# Altium PCB OSA_V100.PcbDoc (part 1 of 5) (continued)
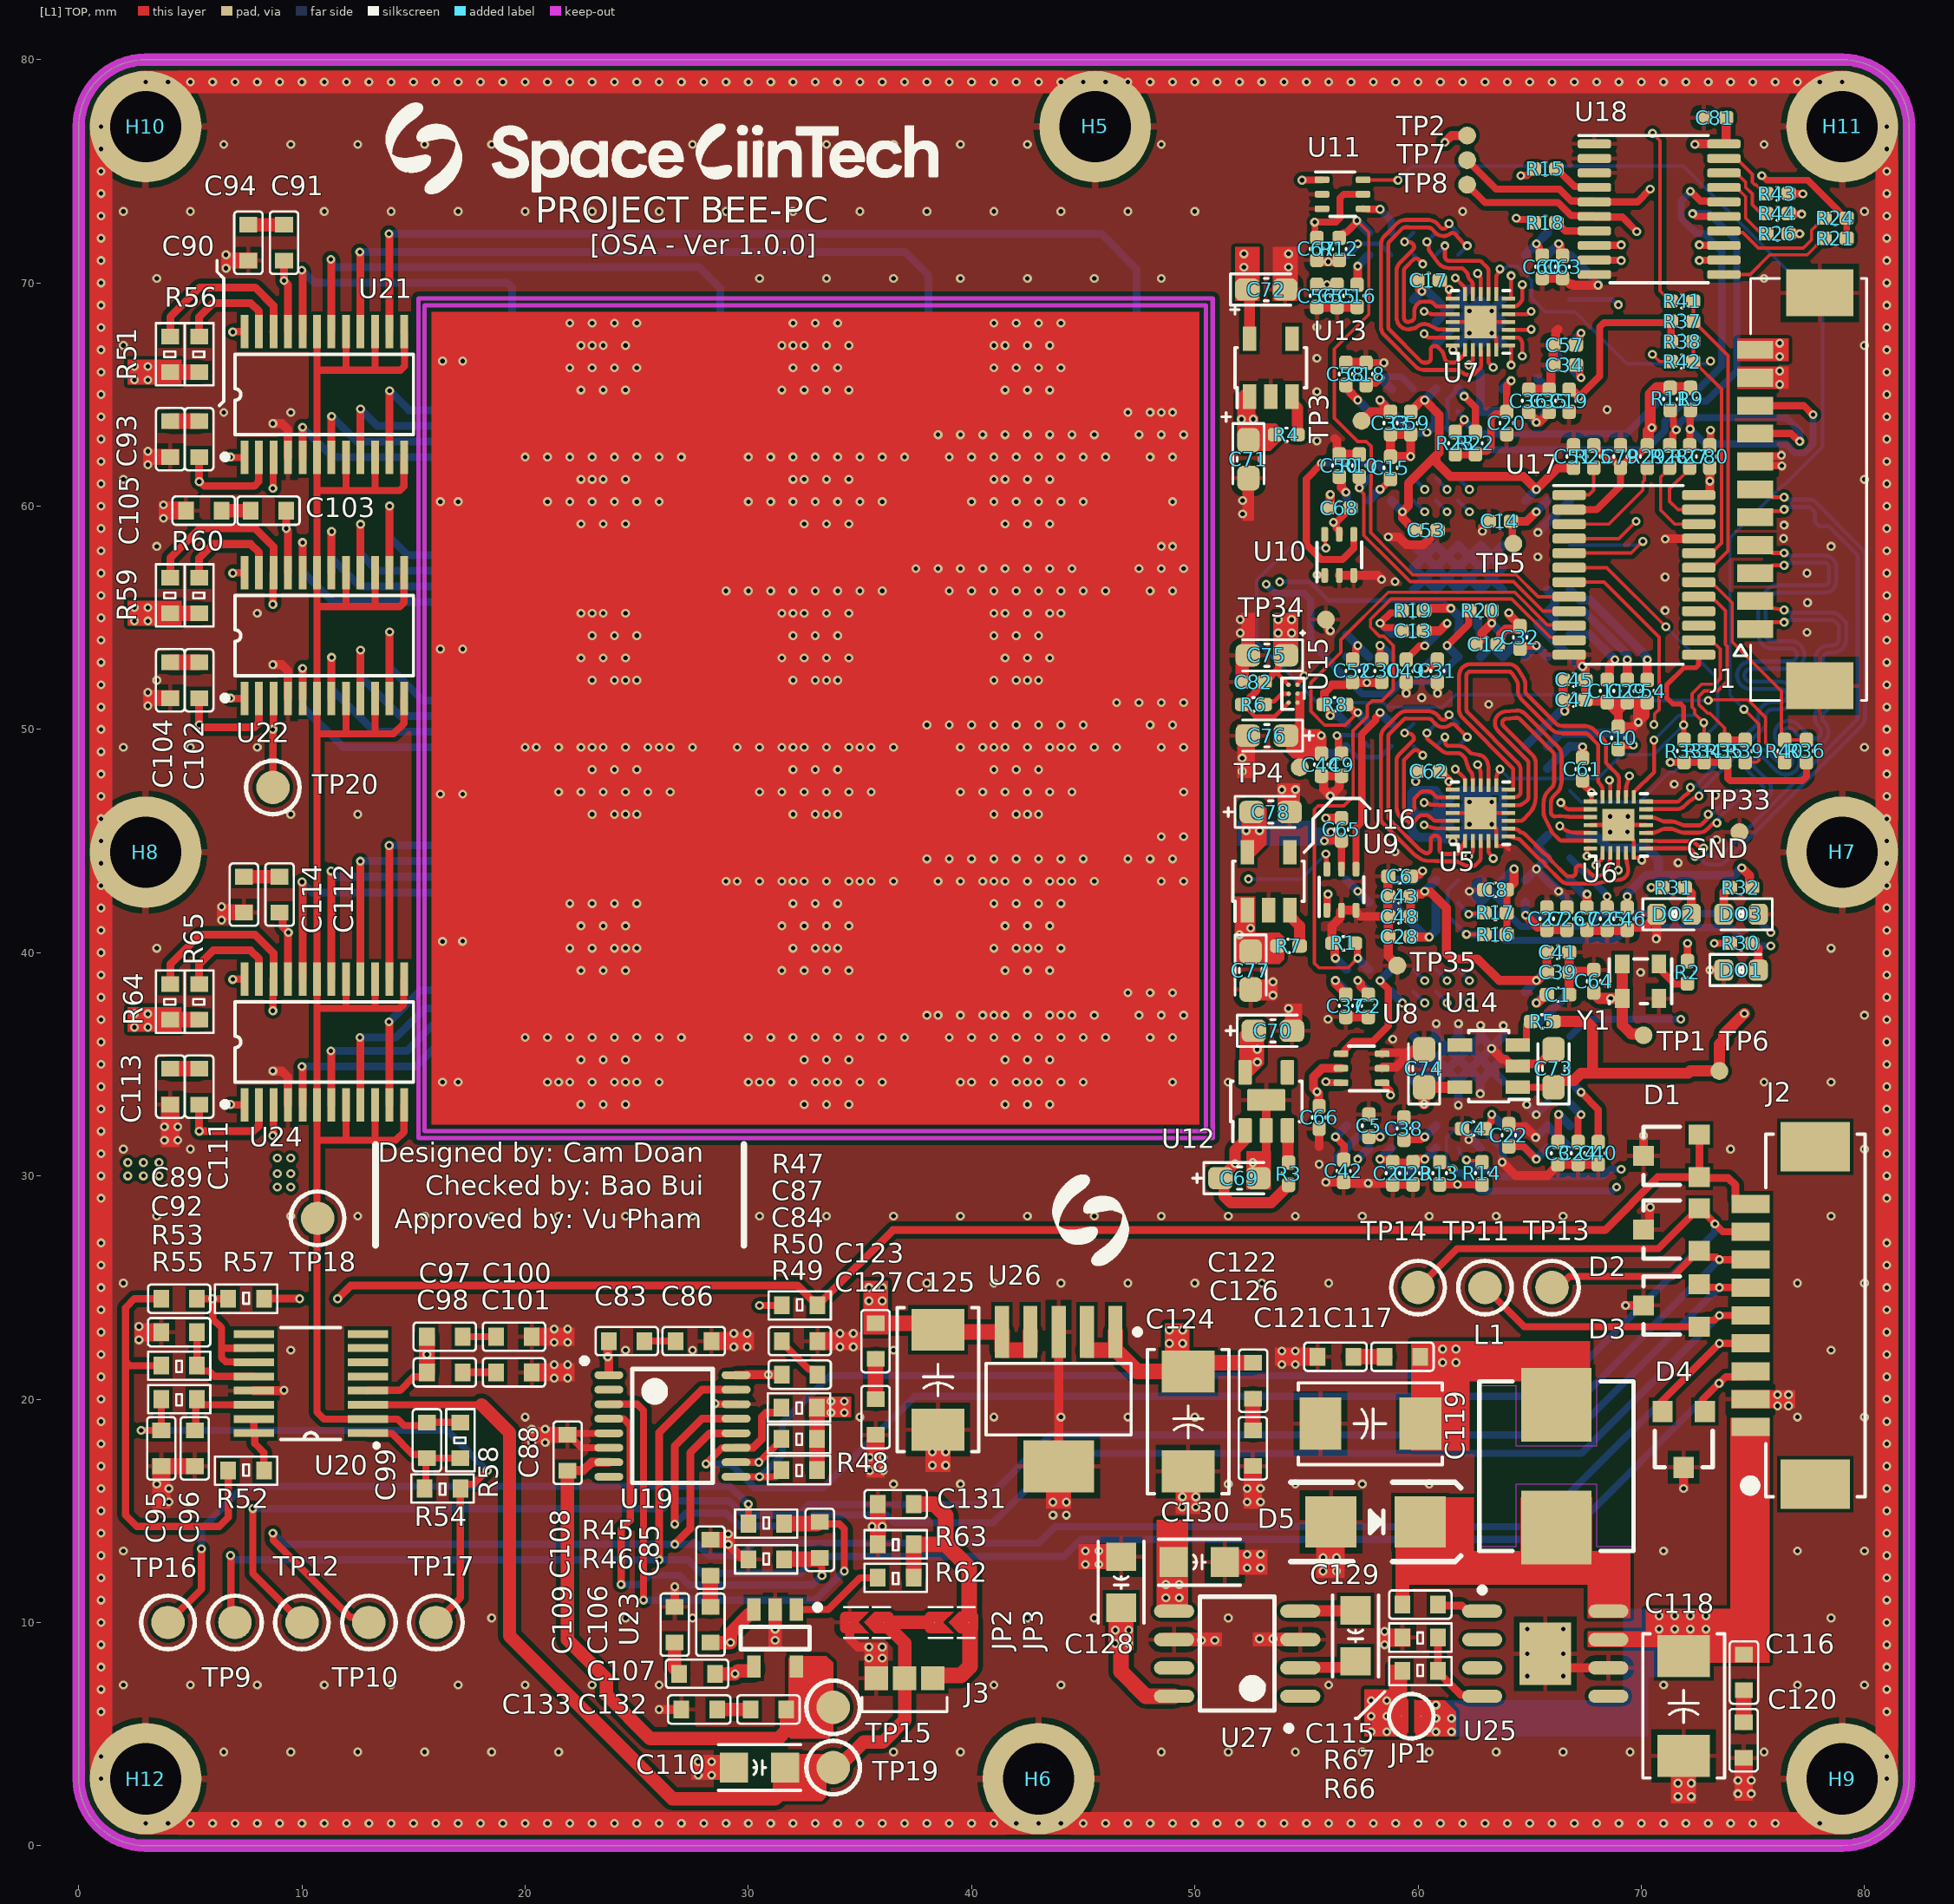
[diagram p0: [L1] TOP view]
## Footprints (in the part's own frame and the unit in brackets; to place one, negate y for a bottom-side part, rotate by r counter-clockwise, add the part's x,y. Pads: shape width x height; smd on the part's side, far side on the other; paste and mask are expansions set on the pad) (continued)
  silkscreen extent -1.4,-0.64 1.4,0.64, body extent -0.8,-0.4 0.8,0.4, height 0.3
DIO-SMD-A [mm]
  rect 2.286x2.3 smd: 1(2,0) 2(-2,0)
  silkscreen extent -3.81,-1.78 3.81,1.78, body extent -2.6,-1.3 2.6,1.3, height 2.4
HEX-M3_NoVia_Smaller [mm]
  round 5 / inner round 4.4 / far side round 5 hole 3.2: 1(0,0)
HSOP8 [mm] "SOIC, 8-Leads, Body 4.9x3.9mm, Pitch 1.27mm, IPC High Density"
  oval 1.8x0.6 smd: 1(-2.825,1.905) 2(-2.825,0.635) 3(-2.825,-0.635) 4(-2.825,-1.905) 5(2.825,-1.905) 6(2.825,-0.635) 7(2.825,0.635) 8(2.825,1.905)
  rect 2.3x2.8 smd: 9(0,0)
  silkscreen extent -2.95,2.73 -2.7,2.98, body extent -2.99,-2.45 3,2.45, height 1.6
Jump2 [mil]
  round 1 smd paste+0 mask+0: 1(0,17.33) 2(0,-17.32)
  [L1] TOP region: 29.08,-5.11 23.68,-17.62 13.25,-26.37 0,-29.52 -13.25,-26.37 -23.68,-17.62 -29.08,-5.12 -29.08,-5.11
  [L1] TOP region: -29.08,5.13 -23.68,17.64 -13.25,26.39 0,29.53 13.25,26.39 23.68,17.64 29.08,5.13 29.08,5.13
  silkscreen extent -39,-39 39,39
JUMPER_1608 [mil]
  round 1 smd paste-99999: 1(30.51,0) 2(-30,0)
  [L1] TOP region: 38.88,-18.7 13.56,-18.7 -5,0 13.56,18.7 38.88,18.7 42.08,18.06 44.79,16.25 46.61,13.54 47.24,10.33 47.24,10.33 47.24,-10.33 46.61,-13.54 44.79,-16.25 42.08,-18.06 38.88,-18.7
  [L1] TOP region: -14.86,-0.09 3.75,-18.7 -38.37,-18.7 -41.57,-18.06 -44.28,-16.25 -46.1,-13.54 -46.73,-10.33 -46.73,-10.33 -46.73,10.33 -46.1,13.54 -44.28,16.25 -41.57,18.06 -38.37,18.7 -38.37,18.7 3.93,18.7
  silkscreen extent -40,-27 41,27
LED_0603 [mm]
  rrect50% 0.85x0.95 smd: 1(-0.775,0) 2(0.775,0)
  silkscreen extent -1.4,-0.7 0.9,0.7, body extent -0.8,-0.4 0.8,0.4, height 0.7
M50-3930342 [mm]
  rect 1.05x1.05 smd mask+0: 1(-1.27,1) 2(0,1) 3(1.27,1)
  silkscreen extent -1.91,-0.5 1.91,0.15, body extent -1.91,-4.51 1.91,1.19, height 2.05
MOLEX_0532611171 [mm]
  rect 0.8x1.6 smd mask+0.076: 1(-6.25,2.4) 2(-5,2.4) 3(-3.75,2.4) 4(-2.5,2.4) 5(-1.25,2.4) 6(0,2.4) 7(1.25,2.4) 8(2.5,2.4) 9(3.75,2.4) 10(5,2.4) 11(6.25,2.4)
  rect 2.1x3 smd mask+0.076: M1(-8.8,-0.5) M2(8.8,-0.5)
  silkscreen extent -9.45,-2.6 9.45,3.35, body extent -9.45,-2.6 9.45,2.6, height 3.4
OSCDFN250X200X89-4N [mm]
  rect 0.85x0.65 smd: 1(-0.775,0.825) 2(-0.775,-0.825) 3(0.775,-0.825) 4(0.775,0.825)
  silkscreen extent -1,-1.4 1,1.4, body extent -1.03,-1.27 1.03,1.27, height 0.89
PI3WVR626XEBEX_DIO_2 [mil]
  rect 24x7 smd paste+0 mask+0: 1(-49.21,27.56) 2(-49.21,13.78) 3(-49.21,0) 4(-49.21,-13.78) 5(-49.21,-27.56) 13(49.21,-27.56) 14(49.21,-13.78) 15(49.21,0) 16(49.21,13.78) 17(49.21,27.56)
  rect 7x24 smd paste+0 mask+0: 6(-41.34,-49.21) 7(-27.56,-49.21) 8(-13.78,-49.21) 9(0,-49.21) 10(13.78,-49.21) 11(27.56,-49.21) 12(41.34,-49.21) 18(41.34,49.21) 19(27.56,49.21) 20(13.78,49.21) 21(0,49.21) 22(-13.78,49.21) 23(-27.56,49.21) 24(-41.34,49.21)
  rect 57x57 smd paste+0 mask+0: 25(0,0)
  silkscreen extent -67,-51 55,51, body extent -49,-49 49,49, height 20
RES-SMD-0603 [mm]
  rect 0.7x0.8 smd: 1(-0.8,0) 2(0.8,0)
  silkscreen extent -1.4,-0.64 1.4,0.64, body extent -0.8,-0.4 0.8,0.4, height 0.43
RES_C_1005X40 [mm]
  rrect50% 0.65x0.6 smd mask+0.05: 1(-0.5,0) 2(0.5,0)
  silkscreen extent -0.04,-0.3 0.04,0.3, body extent -0.5,-0.25 0.5,0.25, height 0.38
SC-88 [mm] "6-TSSOP, SC-88, SOT-363 / SC-88/SC70-6/SOT-363"
  rrect50% 0.66x0.3 smd: 1(-0.92,0.65) 2(-0.92,0) 3(-0.92,-0.65) 4(0.92,-0.65) 5(0.92,0) 6(0.92,0.65)
  silkscreen extent -1.2,-1 0.58,1, body extent -1.05,-1 1.05,1, height 1.1
SO8 [mm] "SOIC, 8-Leads, Body 4.9x3.9mm, Pitch 1.27mm, IPC High Density"
  oval 1.8x0.6 smd: 1(-2.825,1.905) 2(-2.825,0.635) 3(-2.825,-0.635) 4(-2.825,-1.905) 5(2.825,-1.905) 6(2.825,-0.635) 7(2.825,0.635) 8(2.825,1.905)
  silkscreen extent -2.43,-2.55 1.68,3.46, body extent -2.99,-2.45 3,2.45, height 1.6
SOP65P440W-24N [mm] "TSSOP-24 4.40mm Width"
  rrect50% 1.5x0.45 smd: 1(-2.9,3.575) 2(-2.9,2.925) 3(-2.9,2.275) 4(-2.9,1.625) 5(-2.9,0.975) 6(-2.9,0.325) 7(-2.9,-0.325) 8(-2.9,-0.975) 9(-2.9,-1.625) 10(-2.9,-2.275) 11(-2.9,-2.925) 12(-2.9,-3.575) 13(2.9,-3.575) 14(2.9,-2.925) 15(2.9,-2.275) 16(2.9,-1.625) 17(2.9,-0.975) 18(2.9,-0.325) 19(2.9,0.325) 20(2.9,0.975) 21(2.9,1.625) 22(2.9,2.275) 23(2.9,2.925) 24(2.9,3.575)
  silkscreen extent -3.6,-4 2.2,4, body extent -3.2,-3.9 3.2,3.9, height 1.2
SOP65P440W_20 [mm] "TSSOP 20 4.40mm Width"
  rrect50% 1.5x0.4 smd paste+0 mask+0: 1(-2.9,2.925) 2(-2.9,2.275) 3(-2.9,1.625) 4(-2.9,0.975) 5(-2.9,0.325) 6(-2.9,-0.325) 7(-2.9,-0.975) 8(-2.9,-1.625) 9(-2.9,-2.275) 10(-2.9,-2.925) 11(2.9,-2.925) 12(2.9,-2.275) 13(2.9,-1.625) 14(2.9,-0.975) 15(2.9,-0.325) 16(2.9,0.325) 17(2.9,0.975) 18(2.9,1.625) 19(2.9,2.275) 20(2.9,2.925)
  silkscreen extent -3.6,-3.3 2.2,3.3, body extent -3.3,-3.3 3.3,3.3, height 1.09
SOT23-5 [mm] "SOT23-5"
  rect 1x0.6 smd: 1(-1.275,0.95) 2(-1.275,0) 3(-1.275,-0.95) 4(1.275,-0.95) 5(1.275,0.95)
  silkscreen extent -1.5,-1.55 0.5,2.03, body extent -1.25,-1.5 1.25,1.5, height 1.1
SOT23-123 [mm] "SOT23, 1=bottom-left, 2=top, 3=bottom-right"
  rect 0.9x0.95 smd: 1(-0.95,-1.25) 2(0,1.25)
  rect 0.9x0.95 smd mask+0: 3(0.95,-1.25)
  silkscreen extent -1.3,-0.38 1.3,1.25, body extent -1.52,-1.23 1.48,1.27, height 1.06
SOT25 [mm]
  rect 1.1x0.6 smd paste+0 mask+0: 1(-1.3,0.95) 2(-1.3,0) 3(-1.3,-0.95) 4(1.3,-0.95) 5(1.3,0.95)
  silkscreen extent -1.8,-1.6 0.9,1.6, body extent -1.43,-1.5 1.43,1.5, height 1.4
SOT25-EPAD [mm]
  rrect16% 1.1x0.6 smd paste+0 mask+0: 1(-1.3,0.95) 2(-1.3,0) 3(-1.3,-0.95) 4(1.3,-0.95) 5(1.3,0.95)
  rrect10% 0.975x1.7 smd paste+0 mask+0: 7(0.062,0)
  silkscreen extent -1.8,-1.6 0.9,1.6, body extent -1.43,-1.5 1.43,1.5, height 1.4
SOT223-6 [mm]
  rect 2.346x0.632 smd paste+0 mask+0.05: 1(-3.01,2.54) 2(-3.01,1.27) 3(-3.01,0) 4(-3.01,-1.27) 5(-3.01,-2.54)
  rect 2.346x3.172 smd paste+0 mask+0.05: 6(3.01,0)
  silkscreen extent -3.14,-3.25 1.6,3.66, body extent -3.55,-3.25 3.55,3.25, height 1.66
SRP7050TA [mm] "Precision Wire Wound Inductor, 2-Leads, Body 7.30x6.60mm, IPC Medium Density"
  rect 3.3x3.15 smd: 1(-2.75,0) 2(2.75,0)
  silkscreen extent -3.8,-3.45 3.8,3.45, body extent -3.6,-3.3 3.6,3.3, height 4.91
SSOP16 [mm]
  rect 1.8x0.35 smd mask+0.05: 1(-2.553,2.222) 2(-2.553,1.587) 3(-2.553,0.952) 4(-2.553,0.317) 5(-2.553,-0.318) 6(-2.553,-0.953) 7(-2.553,-1.588) 8(-2.553,-2.223) 9(2.553,-2.222) 10(2.553,-1.587) 11(2.553,-0.952) 12(2.553,-0.317) 13(2.553,0.318) 14(2.553,0.953) 15(2.553,1.588) 16(2.553,2.223)
  silkscreen extent -3,-2.5 1.33,2.84, body extent -3,-2.45 3,2.45, height 1.75
TESTPOINT [mm]
  round 1.5 smd paste+0: 1(0,0)
  silkscreen extent -1.2,-1.2 1.2,1.2
Testpoint_80_pin0 [mm]
  round 0.8 smd paste-2539.97 mask+0: 0(0,0)
TSSOP16 [mm] "TSSOP, 16-Leads, Body 5.10x4.40mm, Pitch 0.65mm, IPC High Density"
  oval 1.3x0.35 smd mask+0.05: 1(-2.85,2.275) 2(-2.85,1.625) 3(-2.85,0.975) 4(-2.85,0.325) 5(-2.85,-0.325) 6(-2.85,-0.975) 7(-2.85,-1.625) 8(-2.85,-2.275) 9(2.85,-2.275) 10(2.85,-1.625) 11(2.85,-0.975) 12(2.85,-0.325) 13(2.85,0.325) 14(2.85,0.975) 15(2.85,1.625) 16(2.85,2.275)
  silkscreen extent -4.07,-2.55 1.8,3.05, body extent -3.23,-2.53 3.23,2.57, height 1.25
TSSOP24 [mm]
  rect 1.5x0.35 smd mask+0.08: 1(-2.819,3.575) 2(-2.819,2.925) 3(-2.819,2.275) 4(-2.819,1.625) 5(-2.819,0.975) 6(-2.819,0.325) 7(-2.819,-0.325) 8(-2.819,-0.975) 9(-2.819,-1.625) 10(-2.819,-2.275) 11(-2.819,-2.925) 12(-2.819,-3.575) 13(2.819,-3.575) 14(2.819,-2.925) 15(2.819,-2.275) 16(2.819,-1.625) 17(2.819,-0.975) 18(2.819,-0.325) 19(2.819,0.325) 20(2.819,0.975) 21(2.819,1.625) 22(2.819,2.275) 23(2.819,2.925) 24(2.819,3.575)
  silkscreen extent -2.91,-4 1.8,4.56, body extent -3.23,-3.95 3.23,3.95, height 1.25
VEMD5080X01 [mil]
  rect 47x30 smd paste+0 mask+0: 1(102.83,-39.37) 2(-71.17,-39.37) 2(-71.17,39.37) 3(102.83,39.37)
  rect 98x122 smd paste+0 mask+0: 2(15.83,0)
  silkscreen extent -88,-88 128,84, body extent -83,-79 114,79, height 41
WLCSP6 [mm]
  round 0.2 smd paste+0 mask+0: A1(-0.2,0.4) A2(0.2,0.4) B1(-0.2,0) B2(0.2,0) C1(-0.2,-0.4) C2(0.2,-0.4)
  silkscreen extent -0.5,-0.7 0.5,0.7

## Part data
C1 C2 C3 C4 C5 C6 C7 C8 C9 C10 C11 C12 C13 C14 C15 C16 C17 C18 C19 C20 C21 C22 C23 C24 C25 C26 C27 C28 C29 C30 C31 C32 C33 C34 C35 C36 C37 C38 C39 C40 C41 C42 C43 C44 C45 C46 C47 C48 C49 C50 C51 C52 C53 C54 C55 C56 C57 C58 C59 C60 C61 C62 C63 C64 C65 C66 C67 C68 C79 C80 C81 C82: library part CAP_SMD, "CAP_Chip"
C69 C70 C71 C72 C73 C74 C75 C76 C77 C78: library part CAP_TH, "CAP_Polarization", LatestRevisionDate=17-Jul-2002, LatestRevisionNote="Re-released for DXP Platform.", PackageReference=POLAR0.8, Published=8-Jun-2000, Publisher="Altium Limited"
C83 C84 C86 C87 C88 C90 C91 C93 C94 C97 C98 C100 C101 C102 C103 C104 C105 C106 C107 C108 C109 C111 C112 C113 C114 C116 C117 C120 C121 C122 C123 C126 C127 C132 C133: library part CM, "CL10B224KA8NNNC"
C85 C95 C99: library part CM, "CL10B471KB8NNNC"
C89 C92 C96 C115 C131: library part CM, "CL10B103KB8NNNC"
C110 C128 C129 C130: library part CN-ALU-SMD, "TAJA106K016RNJ", LatestRevisionDate=17-Jul-2002, LatestRevisionNote="Re-released for DXP Platform.", PackageReference=POLAR0.8, Published=8-Jun-2000, Publisher="Altium Limited"
C118 C119 C124 C125: library part CN-ALU-SMD, "TAJC476K020RNJ", LatestRevisionDate=17-Jul-2002, LatestRevisionNote="Re-released for DXP Platform.", PackageReference=POLAR0.8, Published=8-Jun-2000, Publisher="Altium Limited"
D5: library part "Diode SMD", Code - JEDEC=DO-214-AB, Published=8-Jun-2000, Publisher="Altium Limited", Revision="July-2002: Re-released for DXP Platform."
H5 H6 H7 H8 H9 H10 H11 H12: library part PAD_HOLD
J1: library part "Header 11x1_2M"
J2: library part JP9, Manufacturer="W¨¹rth Elektronik eiSos GmbH", partNo=613009143121, ComponentLink1 Description=Manufacturer, ComponentLink1URL=http://www.we-online.com, ComponentLink2 Description=Datasheet, ComponentLink2URL=http://katalog.we-online.de/em/datasheet/6130xx143121.pdf, Created by="Karrer Zheng", Created Date="29 March 2013", NoPins=09
J3: library part JP3, "WR-PHD 2.54 mm Angled Socket Header", Manufacturer="W¨¹rth Elektronik eiSos GmbH", partNo=613003143121, ComponentLink1 Description=Manufacturer, ComponentLink1URL=http://www.we-online.com, ComponentLink2 Description=Datasheet, ComponentLink2URL=http://katalog.we-online.de/em/datasheet/6130xx143121.pdf, Created by="Karrer Zheng", Created Date="29 March 2013", NoPins=03
JP2 JP3: library part JUMPER
L1: library part INDUCTOR, "SRP7050TA-150M"
PD1 PD2 PD3 PD4 PD5 PD6 PD7 PD8 PD9 PD10 PD11 PD12 PD13 PD14 PD15 PD16 PD17 PD18 PD19 PD20 PD21 PD22 PD23 PD24: "VEMD5080X01"
R1 R2 R3 R4 R5 R6 R7 R8 R10 R12 R13 R14 R15 R16 R17 R18 R19 R20 R21 R22 R23 R24 R25 R26 R27 R28 R29 R30 R31 R32 R33 R34 R35 R36 R37 R38 R39 R40 R41 R42 R43 R44: library part RES-SMD, "RES-Chip", Manufacturer="Generic Components", Class=Passive, Published=08/06/2000, Publisher="Altium Hobart Technology Centre"
R9 R11: library part _RES_B_2, "RES"
R45 R46: library part Res-SMD, "ERJ-3EKF22R0V", Manufacturer="Generic Components", Class=Passive, Published=08/06/2000, Publisher="Altium Hobart Technology Centre"
R47 R57: library part Res-SMD, "ERJ-3GEY0R00V", Manufacturer="Generic Components", Class=Passive, Published=08/06/2000, Publisher="Altium Hobart Technology Centre"
R48 R49 R50 R51 R56 R59 R60 R64 R65: library part Res-SMD, "ERJ-3EKF4701V", Manufacturer="Generic Components", Class=Passive, Published=08/06/2000, Publisher="Altium Hobart Technology Centre"
R52 R53 R55 R62 R66: library part Res-SMD, "ERJ-3EKF1002V", Manufacturer="Generic Components", Class=Passive, Published=08/06/2000, Publisher="Altium Hobart Technology Centre"
R54: library part Res-SMD, "ERJ-3EKF51R0V", Manufacturer="Generic Components", Class=Passive, Published=08/06/2000, Publisher="Altium Hobart Technology Centre"
R58: library part Res-SMD, "ERJ-3EKF3303V", Manufacturer="Generic Components", Class=Passive, Published=08/06/2000, Publisher="Altium Hobart Technology Centre"
R63: library part Res-SMD, "ERJ-3EKF2001V", Manufacturer="Generic Components", Class=Passive, Published=08/06/2000, Publisher="Altium Hobart Technology Centre"
R67: library part Res-SMD, "ERA-3AEB3241V", Manufacturer="Generic Components", Class=Passive, Published=08/06/2000, Publisher="Altium Hobart Technology Centre"
TP1 TP2 TP3 TP4 TP5 TP6 TP7 TP8 TP33 TP34 TP35: library part "Test Point", "Test Point", Solder=NF
U5 U6 U7: Mfr_Name="Diodes Inc", RefDes=RefDes, TYPE=Type
U8 U9 U10 U11: library part IC_FLEXLOGIC_NL7SZ97DFT2G-Q
U12: library part IC_POWER_TLV75733PDYDR
U13 U14 U16: library part IC_POWER_AP7347DQ
U15: library part IC_POWER_NCP139AFCT105T2G
U17: library part IC_I2Cto16IO_TCA6416APWR
U18: library part IC_I2CSW1to4_PCA9544APW,118
U19: library part ADS8327, Supplier Part Number 1=595-ADS8327IPW, Supplier 1=Mouser
U20: "OPA4340UA/2K5", Supplier Part Number 1=595-OPA4340UA/2K5, Supplier 1=Mouser
U23: library part REF19xx, "REF1941AIDDCT"
U25: library part TPS543X
U27: "ICL7660ACBAZA-T", Creator="Nguyen Ba Bien"
Y1: library part Y_OSC27MHz_DSC1001DL5-027.0000T

## Via types
v1: diameter 0.4, hole 0.2, [L1] TOP to [L6] BOTTOM, tented both sides, 1522 vias

## Nets (pads, with @x,y where several pads share a name; then routed paths per layer and width w, separated by ;. In a path a pad name is that pad's centre, name@x,y a point inside that pad or via, vN(x,y) a via of type N, cw(c..) or ccw(c..) an arc to the next point about the centre after c; other vN are vias at no path point)
0R_ADC_IN: D1.1 D1.3 J2.9 R47.1 R57.1 | length 72.4
  [L1] TOP w0.35: R57.1@8.3,24.5 v1(9.9,24.5) ; v1(11.6,24.5) 12.2,25.1 32.2,25.1 32.875,24.425 32.925,24.425 R47.1@33.1,24.25 ; R47.1@33.1,24.2 R47.1@33.1,24.25 ; D1.3@72.6,31.85 D1.1@72.6,29.95 ; J2.9@74.895,28.75 74.451,28.75 74.22,28.981 74.22,29.58 73.895,29.905 72.645,29.905 D1.1@72.6,29.95 ; R47.1@33.1,24.25 33.275,24.425 33.325,24.425 36.475,27.575 68.375,27.575 70.75,29.95 D1.1@72.6,29.95
  [L3] SIGNAL w0.35: v1(9.9,24.5) v1(11.6,24.5)
12V_EXP: C90.2 C102.2 C111.2 C116.2 C118.1 J2.1 JP1.1 U21.2 U22.2 U24.2 U25.7 | length 15
  [L1] TOP w0.32: v1(5.4,61.1) 5.422,61.1 5.622,60.9 7.873,60.9 8.06,61.087 8.06,62.166 U21.2@8.075,62.181
  [L1] TOP w0.35: C111.2@5.4,33.2 v1(5.4,32) 7.819,32 8.075,32.256 U24.2@8.075,33.181 ; C102.2@5.4,51.4 v1(5.4,50.2) 5.414,50.2 5.514,50.1 7.87,50.1 8.075,50.305 U22.2@8.075,51.381 ; v1(5.4,61.1) C90.2@5.4,62.2
  other v1: 60.8,5.1 61.5,5.1 60.8,5.7 61.5,5.7 60.8,6.3 70.8,9.7 71.5,9.7 72.2,9.7 72.9,9.7 70.8,10.3 71.5,10.3 72.2,10.3 72.9,10.3 2.2,30 2.9,30 3.6,30 2.2,30.6 2.9,30.6 3.6,30.6
+1.05V: C37.2 C38.2 C39.2 C40.2 C41.2 C42.2 C43.2 C44.2 C45.2 C46.2 C47.2 C48.2 C49.2 C50.2 C51.2 C52.2 C53.2 C54.2 C55.2 C56.2 C57.2 C58.2 C59.2 C60.2 C76.1 R32.1 TP4.0 U1.A2 U1.B3 U1.B9 U1.B11 U1.F1 U1.H7 U1.H11 U1.J10 U2.A2 U2.B3 U2.B9 U2.B11 U2.F1 U2.H7 U2.H11 U2.J10 U3.A2 U3.B3 U3.B9 U3.B11 U3.F1 U3.H7 U3.H11 U3.J10 U4.A2 U4.B3 U4.B9 U4.B11 U4.F1 U4.H7 U4.H11 U4.J10 U15.A1 U15.B1 | length 227.5
  [L1] TOP w0.2: C76.1@54.08,49.72 54.6,50.24 U15.A1@54.6,51.2 U15.B1@54.6,51.6 ; v1(65.302,71.752) 65.302,71.795 v1@65.34,71.834
  [L1] TOP w0.32: C76.1@54.08,49.72 v1(55.67,49.72) C44.2@55.67,48.92 ; C56.2@55.47,69.92 v1(55.92,69.92) C55.2@56.37,69.92 ; v1(56.298,31.748) 56.684,31.363 C42.2@56.684,30.734 ; C52.2@57.07,53.12 57.21,53.26 57.21,53.642 57.298,53.73 v1(57.298,53.752) ; C38.2@59.37,31.62 60.148,31.62 60.277,31.748 v1(60.298,31.748) ; C49.2@59.47,53.12 59.47,53.145 60.058,53.733 60.283,53.733 v1(60.298,53.748) ; v1(65.302,71.752) 65.302,71.73 65.43,71.602 65.43,71.36 C60.2@65.57,71.22 ; C57.2@67.07,67.22 67.095,67.22 67.235,67.36 67.235,67.663 67.302,67.73 v1(67.302,67.752) ; v1(67.302,33.748) 68.07,32.98 C40.2@68.07,31.52 ; C46.2@69.37,42.02 v1(69.37,42.52)
  [L1] TOP w0.4: TP4.0@54.7,48.3 54.777,48.377 54.777,48.777 55,49 ; v1(56.298,38.752) 56.298,38.617 56.77,38.145 C37.2@56.77,38.12 ; C50.2@56.47,61.32 56.57,61.22 56.57,60.82 v1(56.77,60.62) ; C58.2@56.77,65.395 56.87,65.295 56.87,65.211 57.02,65.061 57.02,65.03 v1(57.302,64.748) ; C48.2@59.67,41.62 C43.2@59.67,42.52 59.77,42.62 60.17,42.62 v1(60.298,42.748) 60.327,42.72 60.556,42.72 61.27,42.006 61.27,39.954 61.504,39.72 62.67,39.72 63.638,38.752 v1(65.302,38.752) 65.377,38.752 65.745,39.12 C39.2@65.77,39.12 C41.2@65.77,40.02 ; C59.2@59.67,64.22 59.77,64.32 59.77,64.345 60.173,64.748 v1(60.298,64.748) 60.95,64.097 60.95,62.4 60.77,62.22 ; C53.2@59.87,58.92 59.77,59.02 59.745,59.02 59.302,59.463 v1(59.302,59.748) 59.57,60.017 59.57,61.02 60.77,62.22 ; C45.2@66.495,52.22 C47.2@66.495,51.32 66.57,51.245 v1(66.57,50.82) ; C51.2@66.97,61.72 66.27,61.72 v1(65.298,60.748) 64.716,61.331 61.449,61.331 61.02,61.76 60.806,61.973 60.806,62.184 60.77,62.22 ; C54.2@70.27,52.22 v1(70.27,53.12) ; v1(74.5,43.8) 74.845,43.455 74.845,43.02 74.945,42.92 R32.1@74.995,42.92
  [L3] SIGNAL w0.4: v1(56.298,31.748) v1(57.298,30.748) 57.469,30.748 58.398,29.82 60.614,29.82 60.848,30.054 60.848,31.198 v1(60.298,31.748) ; v1(56.298,38.752) 57.302,37.748 v1(59.302,37.748) 59.302,37.188 60.3,36.19 63.029,36.19 63.097,36.258 63.516,36.258 63.591,36.182 65.332,36.182 66.27,37.12 66.27,37.783 v1(65.302,38.752) 68.402,38.752 69.37,39.72 v1(69.37,42.52) ; v1(56.77,60.62) 56.648,60.498 56.648,59.62 56.765,59.503 56.765,59.425 56.77,59.42 58.973,59.42 v1(59.302,59.748) ; v1(57.298,42.752) 57.298,47.648 58.845,49.195 58.845,50.068 58.87,50.093 58.87,52.32 ; v1(57.298,53.752) 58.73,52.32 58.87,52.32 ; v1(60.298,53.748) 58.87,52.32
  [L4] POWER w0.4: v1(56.298,31.748) 55.252,31.748 54.8,32.2 54.8,36.915 55.157,37.272 55.157,38.517 55.391,38.752 ; v1(56.298,38.752) 55.391,38.752 ; v1(56.77,60.62) 56.77,61.048 56.298,61.52 ; v1(57.302,71.752) 56.611,71.061 56.611,70.81 55.92,70.119 v1(55.92,69.92) 56.298,69.542 56.298,61.52 ; v1(60.298,42.748) 60.295,42.752 v1(57.298,42.752) 57.298,41.798 56.9,41.4 55.55,41.4 55.32,41.63 ; v1(66.57,50.82) 69.62,50.82 70.27,51.47 ; v1(69.37,42.52) 69.59,42.3 70.603,42.3 70.995,42.692 70.995,45.588 70.75,45.833 70.75,48.753 71.12,49.123 71.12,50.62 70.27,51.47 ; v1(70.27,53.12) 70.27,51.47 ; 55.32,41.63 55.32,38.823 55.391,38.752 ; 55.32,41.63 55.25,41.7 55.25,49.3 v1(55.67,49.72) 55.1,50.29 55.1,51.822 55.45,52.172 55.45,54.395 54.92,54.925 54.92,57.148 55.1,57.328 55.1,60.328 55.842,61.07 55.848,61.07 56.298,61.52
  [L4] POWER w0.5: v1(65.298,60.748) 68.348,60.748 69.1,61.5 69.1,67.1 68.448,67.752 v1(67.302,67.752) 66.2,68.853 66.2,70.39 65.302,71.288 v1(65.302,71.752) ; v1(65.302,38.752) 65.65,39.1 66.577,39.1 66.87,38.807 66.87,34.18 v1(67.302,33.748)
  [L6] BOTTOM w0.2: v1(57.302,71.752) 58.298,71.752 U4.B9@58.8,71.25
  [L6] BOTTOM w0.22: U2.B11@56.8,49.25 57.285,48.765 58.315,48.765 U2.B9@58.8,49.25
  [L6] BOTTOM w0.4: v1(55.67,49.72) 55.67,49.154 55.904,48.92 56.456,48.92 U2.B11@56.777,49.24 ; v1(56.298,31.748) U1.H11@56.8,32.25 ; v1(56.298,38.752) U1.B11@56.8,38.25 ; v1(56.77,60.62) 56.79,60.6 56.79,60.26 U3.B11@56.8,60.25 ; U2.H11@56.8,43.25 v1(57.298,42.752) U2.J10@57.8,42.25 ; U3.H11@56.8,54.25 v1(57.298,53.752) U3.J10@57.8,53.25 ; U4.H11@56.8,65.25 v1(57.302,64.748) U4.J10@57.8,64.25 ; U4.B11@56.8,71.25 v1(57.302,71.752) ; v1(57.298,30.748) U1.J10@57.8,31.25 ; U1.B9@58.8,38.25 v1(59.302,37.748) ; U3.B9@58.8,60.25 v1(59.302,59.748) ; v1(60.298,31.748) U1.H7@60.8,32.25 ; v1(60.298,42.748) U2.H7@60.8,43.25 ; v1(60.298,53.748) U3.H7@60.8,54.25 ; v1(60.298,64.748) U4.H7@60.8,65.25 ; U1.B3@64.8,38.25 v1(65.302,38.752) U1.A2@65.8,39.25 ; U2.B3@64.8,49.25 U2.A2@65.8,50.25 65.814,50.25 66.359,50.795 66.545,50.795 v1(66.57,50.82) ; U3.B3@64.8,60.25 v1(65.298,60.748) U3.A2@65.8,61.25 ; U4.B3@64.8,71.25 v1(65.302,71.752) U4.A2@65.8,72.25 ; U1.F1@66.8,34.25 v1(67.302,33.748) ; U2.F1@66.8,45.25 67.972,45.25 68.529,44.694 70.252,44.694 70.77,44.175 70.77,43.47 ; U3.F1@66.8,56.25 66.814,56.25 67.273,55.79 67.705,55.79 70.27,53.226 v1(70.27,53.12) ; U4.F1@66.8,67.25 v1(67.302,67.752) ; v1(69.37,42.52) 69.37,42.623 70.217,43.47 70.77,43.47 ; v1(74.5,43.8) 74.17,43.47 70.77,43.47